# KiCad board fpgaboard.kicad_pcb (continued)
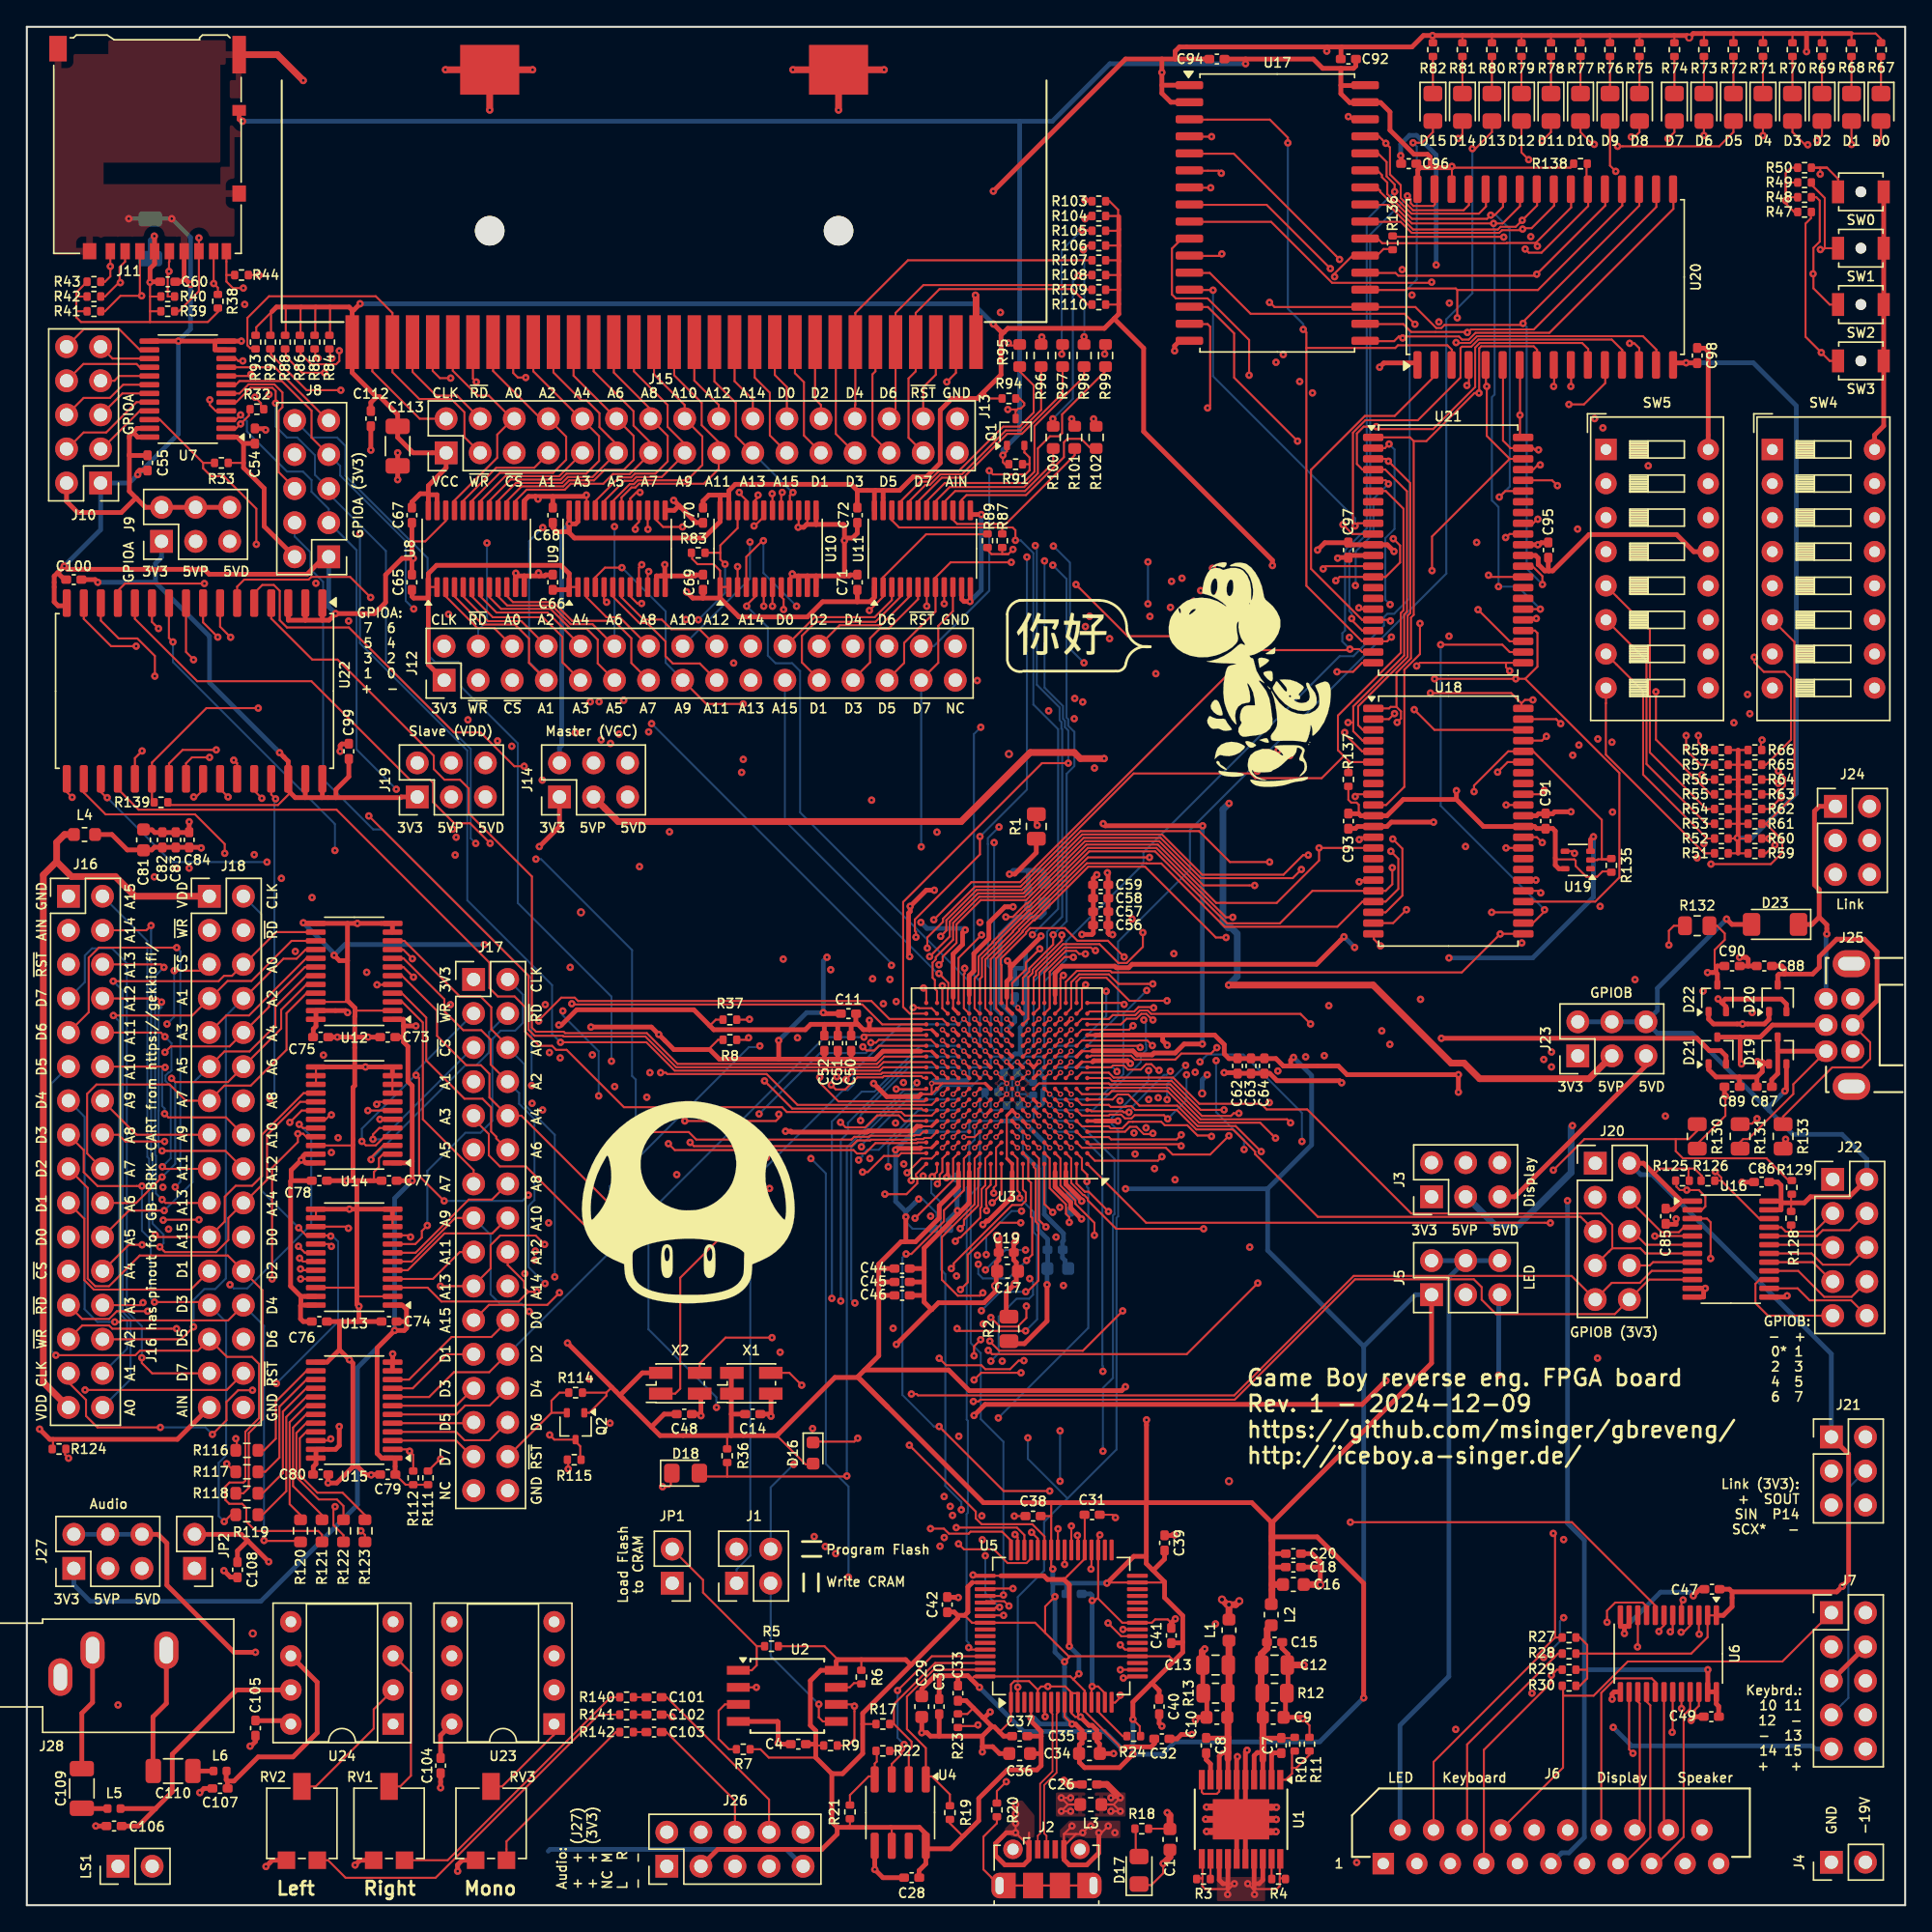
[diagram p0: board, top side]
## Routing (per net, layer and track width the routed paths; a pad name or vN(x,y) marks a point on that pad's centre or on a via; arc(x,y) is an arc through that point) (continued)
  In2.Cu w0.15: v1(9.54,91.61) 9.93,91.61 14.14,87.39 33.45,87.39 33.58,87.52 35.36,87.52 36.03,86.86 v1(42.81,86.86)
  Bottom w0.15: v3(69.84,60.45) 69.44,60.05 65.6,60.05 62.2,56.65 v1(62.2,56.52)
/VD2: length 91.4
  Top w0.15: U3.G15 67.44,59.65 57.44,59.65 55.14,61.95 47.73,61.95 47.63,62.05 v1(47.24,62.05) ; 4.24,96.85 4.24,95.87 6.28,93.84 v1(8.15,93.84)
  In1.Cu w0.15: v1(47.24,62.05) 46.19,63.1 46.19,77.53 43.36,80.35 43.36,83.19 42.77,83.78 41.95,83.78 40.88,84.85 v1(40.88,87.39)
  In2.Cu w0.15: v1(40.88,87.39) 40.49,87.78 33.48,87.78 33.35,87.64 14.34,87.64 v1(8.15,93.84)
/VD3: length 81.3
  Top w0.15: U3.G10 v3(71.44,59.65) ; v1(3.37,82.57) 2.98,82.97 2.98,84.15
  In1.Cu w0.15: v1(3.37,82.57) 9.3,76.65 v1(9.5,76.65)
  In2.Cu w0.15: v1(9.5,76.65) 16.29,76.65 30.42,62.51 36.33,62.51 37.28,61.56 45.9,61.56 46.12,61.35 46.43,61.35 46.79,60.98 58.23,60.98 58.83,60.38 61.24,60.38 61.3,60.44 64.45,60.44 64.52,60.37 65.01,60.37 65.34,60.7 67.74,60.7 67.89,60.85 69.24,60.85 69.44,60.65 69.44,59.45 69.64,59.25 71.04,59.25 v3(71.44,59.65)
/VD4: length 75.1
  Top w0.15: v1(14.75,78.4) 14.75,79.09 12.54,81.3 5.87,81.3 4.24,82.93 4.24,84.15 ; U3.F16 66.81,59.25 66.69,59.37 57.05,59.37 v1(54.98,61.44)
  In2.Cu w0.15: v1(54.98,61.44) 54.59,61.44 54.44,61.28 46.85,61.28 46.54,61.6 46.22,61.6 45.78,62.05 37.23,62.05 36.51,62.76 30.53,62.76 24.38,68.91 24.38,70.11 16.09,78.4 v1(14.75,78.4)
/VD5: length 81.5
  Top w0.15: v1(5.99,82.55) 5.94,82.55 5.52,82.97 5.52,84.15 ; U3.G11 v3(70.64,59.65)
  In1.Cu w0.15: v1(31.57,67.12) 31.57,66.22 32.68,65.12 36.23,65.12 37,64.35 37,63.9 38.44,62.46 v1(38.44,59.27) ; v1(64.75,58.3) 64.75,58.51 65.49,59.25 70.24,59.25 v3(70.64,59.65)
  In2.Cu w0.15: v1(64.75,58.3) 64.64,58.41 63.33,58.41 62.75,57.83 57.72,57.83 57.13,58.42 55.9,58.42 55.38,58.93 55.38,59.05 54.96,59.48 54.33,59.48 54.09,59.24 45.81,59.24 45.78,59.27 v1(38.44,59.27) ; v1(17.9,77.75) 18.43,77.75 20.8,75.38 20.8,74.86 28.55,67.12 v1(31.57,67.12)
  Bottom w0.15: v1(17.9,77.75) 10.79,77.75 v1(5.99,82.55)
/VD6: length 74.4
  Top w0.15: 6.78,84.15 6.78,83.2 8.34,81.65 23.08,81.65 34.48,70.25 34.48,68.35 35.1,67.73 36.35,67.73 37.14,66.94 37.14,65.11 38.2,64.05 39.15,64.05 39.45,63.75 40.23,63.75 44.51,59.48 56.29,59.48 56.65,59.12 65.17,59.12 65.44,58.85 67.44,58.85 U3.F15
/VD7: length 83.7
  Top w0.15: 8.05,84.15 8.05,85.49 v1(8.59,86.03) ; U3.G14 v3(68.24,59.65)
  In1.Cu w0.15: v1(36.14,86.38) 36.14,83.12 44.03,75.24 44.03,62.4 v1(46.21,60.22)
  In2.Cu w0.15: v3(68.24,59.65) 65.39,59.65 65.36,59.62 64.21,59.62 64.14,59.69 61.61,59.69 61.55,59.63 57.21,59.63 56.61,60.23 46.61,60.23 46.6,60.22 v1(46.21,60.22) ; v1(8.59,86.03) 9.7,87.13 33.55,87.13 33.64,87.23 35.3,87.23 v1(36.14,86.38)
/WRAM_~{CS}: length 78
  Top w0.15: 101.8,123.45 101.79,123.44 101.12,123.44 100.61,122.92 98.78,122.92 97.47,121.62 v1(97.47,121.37) ; U3.R16 65.81,66.45 65.31,66.95 65.31,74.77 75.66,85.12 v1(77.62,85.12)
  In2.Cu w0.15: v1(75.85,100.19) 76.05,100.19 76.97,101.11 76.97,101.31 97.03,121.37 v1(97.47,121.37)
  Bottom w0.15: v1(77.62,85.12) 77.62,87.55 77.37,87.8 77.37,88.28 77.23,88.42 77.23,89.37 75.85,90.75 v1(75.85,100.19)
/XRAM_~{CS}: length 99.6
  Top w0.15: 116.25,129.8 116.25,128.75 116.38,128.63 116.38,126.65 112.89,123.17 111.95,123.17 v1(111.68,123.44) ; v1(71.04,79.65) 71.04,78.32 66.19,73.47 66.19,72.62 66.27,72.54 v1(66.27,72.15) ; v3(70.64,63.65) U3.L11
  In1.Cu w0.15: v3(70.64,63.65) 70.24,64.05 70.24,68.31 69.07,69.48 69.07,70.31 67.23,72.15 v1(66.27,72.15)
  In2.Cu w0.15: v1(111.68,123.44) 97.62,123.44 76.61,102.42 76.61,102.09 75,100.48 v1(74.54,100.48)
  Bottom w0.15: v1(71.04,79.65) 74.54,83.15 v1(74.54,100.48)
/~{CRESET}: length 85
  Top w0.15: 82.8,20.55 81.7,20.55 v1(81.7,20.55) ; 52.85,66 53.83,66 v1(53.86,66.03) ; U3.N11 v3(70.64,65.25)
  In1.Cu w0.15: v1(58.44,55.65) 57.36,56.73 57.36,64.57 v1(57.44,64.65) 56.06,66.03 v1(53.86,66.03)
  In2.Cu w0.15: v1(81.7,20.55) 81.7,20.55 64.23,20.55 61.24,23.54 v1(61.24,24.45) ; v3(70.64,65.25) 70.24,64.85 62.91,64.85 62.61,65.15 57.94,65.15 v1(57.44,64.65)
  Bottom w0.15: v1(58.44,55.65) 59.55,54.54 59.55,32.89 61.24,31.2 v1(61.24,24.45)
/~{EPROG}: length 68.4
  Top w0.15: 100.4,96.6 99.52,96.6 99.43,96.7 v1(99.28,96.7) ; v1(89.38,72.12) 88.62,72.12 83.34,77.4 79.11,77.4 75.11,73.4 75.01,73.4 74.22,72.61 74.22,72.54 72.24,70.56 72.24,66.85 U3.R9 ; 100.4,76.4 99.43,76.4 v1(99.31,76.28)
  In1.Cu w0.15: v1(99.31,76.28) 99.31,77.35 94.66,82 94.66,87.24 94.89,87.48 96.4,87.48 96.97,86.91 98.39,86.91 98.93,87.45 98.93,91.65 98.12,92.45 98.12,95.93 98.89,96.7 v1(99.28,96.7)
  In2.Cu w0.15: v1(99.31,76.28) 95.15,72.12 v1(89.38,72.12)
/~{MCS}: length 62.8
  Top w0.15: v1(53.66,96.82) 53.66,96.9 54.28,97.52 54.28,98.25 ; U3.M11 v3(70.64,64.45)
  In1.Cu w0.15: v1(53.66,96.82) 53.11,96.28 41.69,96.28 39.99,94.57 39.99,93.38 39.18,92.57 37.48,92.57 36.21,91.3 J12.5
  Bottom w0.15: v1(53.66,96.82) 55.23,95.25 55.23,93.14 55.8,92.57 57.05,92.57 57.63,91.98 57.63,81.46 70.24,68.85 70.24,64.85 v3(70.64,64.45)
/~{MDOE}: length 52.1
  Top w0.15: 64.47,103.95 64.47,103.22 65.01,102.69 72.74,102.69 ; v1(73.68,101.73) 73.68,102.48 73.48,102.69 72.74,102.69 ; 72.74,102.69 72.7,102.65 72.7,102.25 ; U3.M7 v3(74.64,64.45)
  In2.Cu w0.15: v1(74.95,72.34) 74.67,72.06 74.67,69.22 75.04,68.85 75.04,64.85 v3(74.64,64.45)
  Bottom w0.15: v1(73.68,101.73) 74.07,101.73 75.02,100.78 75.02,89.49 76.87,87.65 76.87,74.25 v1(74.95,72.34)
/~{MOE}: length 51
  Top w0.15: 51.69,100.8 51.69,101.35 52.97,102.64 52.97,103.95 ; 51.69,100.8 51.69,100.3 v1(52.04,99.95) ; 51.69,100.8 50.49,100.8 ; U3.P9 v3(72.24,66.05)
  In1.Cu w0.15: v1(50.05,95.81) 50.05,95.8 50.15,95.71 50.15,90.89 66.83,74.2 67.85,74.2 69.04,73.02 69.04,72.57 69.2,72.41 69.2,71.89 72.24,68.84 v3(72.24,66.05)
  Bottom w0.15: v1(52.04,99.95) 52.04,97.79 v1(50.05,95.81)
/~{MRD}: length 193.2
  Top w0.15: 111.5,124.99 111.35,124.84 109.95,124.84 109.75,124.64 103.22,124.64 102.4,125.47 99.75,125.47 ; 111.5,124.99 111.5,124.94 v1(111.49,124.93) ; 111.5,124.99 112.15,124.99 113.84,126.67 113.84,127.65 ; 111.4,86.8 112.93,86.8 113.25,87.12 v1(113.26,87.12) ; 52.97,98.25 v1(52.97,99.77) ; v1(79.65,71.15) 79.53,71.15 79.31,71.38 77.34,71.38 75.47,69.51 75.47,66.88 U3.R6 ; 111.4,107 112.28,107 112.63,107.35 v1(112.8,107.35)
  In1.Cu w0.15: v1(82.38,73.5) 82.38,95.37 83.55,96.54 83.79,96.54 85.32,98.07 v1(85.32,98.67) ; v1(111.49,124.93) 111.77,125.2 112.84,125.2 113.17,124.87 113.17,109.62 112.22,108.67 112.22,107.93 112.8,107.35 v1(112.8,107.35) 112.49,107.04 112.49,104.55 113.79,103.25 113.79,88.96 113.26,88.43 v1(113.26,87.12)
  In2.Cu w0.15: v1(34.3,101.53) 51.21,101.53 v1(52.97,99.77) 71.2,99.77 72.63,98.33 77.03,98.33 77.59,98.89 84.71,98.89 84.93,98.67 v1(85.32,98.67) 85.53,98.45 86.63,98.45 86.9,98.72 88.56,98.72 88.62,98.66 89.17,98.66 97.15,106.64 112.09,106.64 v1(112.8,107.35) ; v1(82.38,73.5) 82.38,73.11 80.42,71.15 v1(79.65,71.15)
  Bottom w0.15: v1(34.3,101.53) 34.3,95.7 33.64,95.04 J12.4
/~{MRST}: length 54
  Top w0.15: U3.R4 77.04,66.85 77.04,69.09 v1(77.25,69.3) ; 74.74,107.45 74.74,106.95 74.43,106.64 72.01,106.64 v1(71.73,106.91) ; 74.74,107.45 74.74,107.9 74.37,108.27 74.35,108.27 Q1.2 ; 74.74,107.45 74.69,107.4 74.15,107.4
  In1.Cu w0.15: v1(77.25,69.3) 76.66,69.3 75.05,70.91 75.05,71.21 74.14,72.12 74.14,74.44 68.02,80.56 68.02,92.48 J12.30
  Bottom w0.15: J12.30 67.6,93.84 71.73,97.97 v1(71.73,106.91)
/~{MWR}: length 158.6
  Top w0.15: 53.62,98.25 53.62,100.5 54.83,101.7 v1(54.9,101.7) ; 99.75,131.81 100.8,131.81 v1(101.29,131.32) 101.6,131.01 101.6,129 102.4,128.2 102.4,127.24 103.32,126.33 107.09,126.33 107.49,126.72 107.49,127.65 ; U3.M9 v3(72.24,64.45)
  In1.Cu w0.15: v1(45.66,77.41) 41.13,81.94 41.13,83.69 40.79,84.04 39.23,84.04 36.85,86.42 36.85,88.09 J12.3 ; v1(62.97,82.36) 57.7,87.63 57.7,96.49 v1(57.37,96.82)
  In2.Cu w0.15: v1(45.66,77.41) 47.08,78.82 62.97,78.82 ; 62.97,78.82 62.97,78.7 66.92,74.75 67.04,74.75 71.84,69.95 71.84,64.85 v3(72.24,64.45) ; 62.97,78.82 v1(62.97,82.36) ; v1(54.9,101.7) 60.26,101.7 60.74,102.19 72.72,102.19 101.29,130.76 v1(101.29,131.32)
  Bottom w0.15: v1(57.37,96.82) 54.9,99.29 v1(54.9,101.7)
/~{SCS}: length 53.1
  Top w0.15: 27.25,57.92 26.27,57.92 25.8,57.45 v1(25.8,57.08) ; v1(62.9,64.29) 63.29,64.29 63.5,64.5 67.39,64.5 U3.M15
  In1.Cu w0.15: J17.5 34.57,62.65 34.57,60.94 35.35,60.16 37.26,60.16 v1(37.66,59.76)
  In2.Cu w0.15: v1(37.66,59.76) 37.66,59.38 38.28,58.75 48.68,58.75 48.82,58.9 54.51,58.9 v1(54.58,58.97)
  Bottom w0.15: J17.5 33.26,63.92 26.43,57.08 v1(25.8,57.08) ; v1(54.58,58.97) 59.12,63.51 62.53,63.51 62.9,63.88 v1(62.9,64.29)
/~{SOE}: length 77.9
  Top w0.15: v1(22.65,34.75) 22.52,34.62 21.55,34.62 ; 30.84,33.25 v1(30.84,33.25) 30.79,33.25 R111.2 ; U3.P16 63.76,65.65 62.28,67.13 40.68,67.13 v1(40.62,67.19)
  In1.Cu w0.15: v1(40.62,67.19) 40.62,66.8 40.78,66.64 40.78,41.73 36.38,37.33 35.46,37.33 34.53,36.41 34.53,35.37 33.88,34.71 32.3,34.71 v1(30.84,33.25)
  In2.Cu w0.15: v1(30.84,33.25) 24.15,33.25 v1(22.65,34.75)
/~{SRD}: length 79.5
  Top w0.15: 27.25,56.62 26.55,56.62 25.66,55.73 v1(25.66,55.57) ; U3.D8 v3(73.84,57.25)
  In1.Cu w0.15: v1(74.14,51.73) 74.14,52.12 74.54,52.52 74.54,53.35 74.24,53.65 74.24,56.85 v3(73.84,57.25) ; v1(38.89,50.86) 38.89,62.46 37.35,64 37.35,64.95 J17.4
  In2.Cu w0.15: v1(71.51,48.49) 70.06,49.94 67.72,49.94 66.91,50.75 46.77,50.75 46.66,50.87 39.29,50.87 39.28,50.86 v1(38.89,50.86)
  Bottom w0.15: v1(74.14,51.73) 73.4,51.73 71.51,49.84 v1(71.51,48.49) ; J17.4 34.45,65.07 34.45,63.55 33.52,62.63 32.71,62.63 v1(25.66,55.57)
/~{SRST}: length 67
  Top w0.15: 39.1,36.7 39.1,37.6 39.7,38.2 40.45,38.2 ; 39.1,36.7 35.84,33.44 J17.30 ; 39.1,36.7 Q2.2 ; v3(70.64,62.05) U3.J11
  In1.Cu w0.15: v1(65.34,61.31) 64.55,61.31 64.32,61.08 64.32,60.72 63.95,60.34 63.95,55.97 64.66,55.26 64.66,54.82 64.47,54.63 64.47,43.49 64.57,43.39 v1(64.57,43)
  In2.Cu w0.15: v1(64.57,43) 64.18,43 64.02,42.83 55.42,42.83 46.02,33.44 J17.30 ; v1(65.34,61.31) 65.82,61.8 67.93,61.8 68.08,61.65 70.24,61.65 v3(70.64,62.05)
/~{SWR}: length 71.1
  Top w0.15: 27.25,57.28 26.65,57.28 26.01,56.63 25.27,56.63 v1(24.97,56.93) ; U3.A9 72.64,52.99 72.01,52.35 v1(71.95,52.35) ; v1(29.01,61.86) 29.02,61.86 29.24,61.64 29.24,54.35 v1(31.1,52.49)
  In2.Cu w0.15: v1(37.38,52.93) 51.54,52.93 52.18,52.28 64.76,52.28 65.54,53.06 66.34,53.06 66.4,53.12 66.81,53.12 67.14,52.79 71.52,52.79 v1(71.95,52.35)
  Bottom w0.15: v1(37.38,52.93) 36.94,52.49 v1(31.1,52.49) ; v1(24.97,56.93) 24.97,57.87 28.93,61.83 29,61.83 29,61.86 v1(29.01,61.86) 29.01,62.17 J17.3
/~{VCS}: length 88.9
  Top w0.15: U3.J12 v3(69.84,62.05) ; 9.55,82.2 9.33,82.42 9.33,85.16 13.38,89.22 v1(17.25,89.22)
  In1.Cu w0.15: v1(62.14,58.48) 61.55,59.07 61.55,72.25 v1(46.35,87.45)
  In2.Cu w0.15: v1(46.35,87.45) 45.68,86.78 43.95,86.78 42.45,88.28 33.58,88.28 32.94,88.93 17.54,88.93 v1(17.25,89.22)
  Bottom w0.15: v3(69.84,62.05) 69.44,62.45 65.72,62.45 62.14,58.87 v1(62.14,58.48)
/~{VRD}: length 78
  Top w0.15: U3.E14 v3(68.24,58.05) ; 11.87,84.15 11.87,85.11 12.31,85.55 v1(13.62,85.55)
  In1.Cu w0.15: v1(22.1,63.36) 22.1,65.48 19.2,68.39 19.2,74.15 15.33,78.02 15.33,81.01 13.62,82.71 v1(13.62,85.55)
  In2.Cu w0.15: v3(68.24,58.05) 65.44,58.05 65.16,57.77 63.33,57.77 63.14,57.58 57.61,57.58 57.02,58.17 56.33,58.17 56.17,58 48.82,58 48.52,58.3 37.86,58.3 36.19,59.97 28.55,59.97 25.17,63.36 v1(22.1,63.36)
/~{VWR}: length 77.3
  Top w0.15: 18.22,84.15 18.22,82.78 v1(18.54,82.46) ; U3.D14 v3(68.24,57.25)
  In2.Cu w0.15: v1(18.12,60.08) 22.54,60.08 25.08,57.54 47.74,57.54 49,56.28 61.76,56.28 62.02,56.02 62.35,56.02 63.57,57.25 v3(68.24,57.25)
  Bottom w0.15: v1(18.12,60.08) 18.45,60.41 18.45,82.37 v1(18.54,82.46)
Net-(C12-Pad1): length 16.9
  Top w0.15: 93.3,12.45 94.5,12.45
  Top w0.35: U1.3 92.12,10.82 ; 93.3,12.45 92.12,12.45 92.18,12.5 92.12,12.5 ; U1.4 91.47,11.14 91.71,11.38 92.12,11.38
  Top w0.5: 92.12,10.82 92.12,13.97 92.15,14 92.07,14.08 92.07,15.78 92,15.85 92,18.71 92.45,19.16 92.45,20.56 L2.2
Net-(C101-Pad2): length 1
  Top w0.15: 46.15,15.5 45.15,15.5
Net-(C102-Pad2): length 1
  Top w0.15: 46.15,14.2 45.15,14.2
Net-(C103-Pad2): length 1
  Top w0.15: 46.15,12.9 45.15,12.9
Net-(C106-Pad1): length 21.1
  Top w0.35: 7.05,5.9 8.3,5.9 9.59,7.19 9.59,7.2 ; 9.59,7.2 6.95,7.2 ; 9.59,7.2 10.84,8.45 10.84,11.25 15.63,16.04 U24.7
Net-(C107-Pad1): length 16.1
  Top w0.35: 14.85,10 14.86,9.99 14.86,9.34 14.95,9.25 ; U24.6 21.64,16.62 21.64,12.85 19.84,11.05 17.24,11.05 15.44,9.25 14.95,9.25 ; 14.95,9.25 14.95,8.7
Net-(C109-Pad1): length 9.1
  Top w0.35: J28.T 4.9,15.11 4.1,14.31 4.1,10.2
Net-(C109-Pad2): length 1.9
  Top w0.35: 6.05,7.2 4.1,7.2
Net-(C110-Pad1): length 9.4
  Top w0.35: 9.4,10 9.4,14.04 10.4,15.04 J28.R
Net-(C110-Pad2): length 1.6
  Top w0.35: 12.4,10 13.95,10
Net-(D0-K): length 2.8
  Top w0.15: 138.2,135.1 138.2,137.85
Net-(D1-K): length 2.8
  Top w0.15: 136,135.1 136,137.85
Net-(D2-K): length 2.8
  Top w0.15: 133.8,135.1 133.8,137.85
Net-(D3-K): length 2.8
  Top w0.15: 131.6,135.1 131.6,137.85
Net-(D4-K): length 2.8
  Top w0.15: 129.4,135.1 129.4,137.85
Net-(D5-K): length 2.8
  Top w0.15: 127.2,135.1 127.2,137.85
Net-(D6-K): length 2.8
  Top w0.15: 125,135.1 125,137.85
Net-(D7-K): length 2.8
  Top w0.15: 122.8,135.1 122.8,137.85
Net-(D8-K): length 2.8
  Top w0.15: 120.2,135.1 120.2,137.85
Net-(D9-K): length 2.8
  Top w0.15: 118,135.1 118,137.85
Net-(D10-K): length 2.8
  Top w0.15: 115.8,135.1 115.8,137.85
Net-(D11-K): length 2.8
  Top w0.15: 113.6,135.1 113.6,137.85
Net-(D12-K): length 2.8
  Top w0.15: 111.4,135.1 111.4,137.85
Net-(D13-K): length 2.8
  Top w0.15: 109.2,135.1 109.2,137.85
Net-(D14-K): length 2.8
  Top w0.15: 107,135.1 107,137.85
Net-(D15-K): length 2.8
  Top w0.15: 104.8,135.1 104.8,137.85
Net-(D17-A): length 2.1
  Top w0.15: 82.65,5.7 82.65,3.95 82.9,3.7
Net-(J1-Pin_1): length 52.4
  Top w0.15: U3.P12 v3(69.84,66.05)
  Bottom w0.15: J1.1 52.9,25.03 53.93,26.05 53.93,53.85 60.83,60.75 61.2,60.75 61.6,61.15 61.6,62.1 65.15,65.65 69.44,65.65 v3(69.84,66.05)
Net-(J1-Pin_4): length 52.7
  Top w0.15: U3.P11 v3(70.64,66.05)
  In1.Cu w0.15: v1(63.84,67.19) 63.84,67.18 63.9,67.12 63.9,63.6 63.57,63.27 63.57,61.03 63.29,60.75 63.29,56.07 63.29,54.2 56.88,47.79 56.88,33.12 v1(57.15,32.85)
  In2.Cu w0.15: v3(70.64,66.05) 70.24,66.45 67.44,66.45 66.44,67.45 65.84,67.45 65.27,66.88 64.15,66.88 v1(63.84,67.19)
  Bottom w0.15: J1.4 55.44,31.14 v1(57.15,32.85)
Net-(J2-Shield): length 27.2
  Top w0.15: 72.3,6.65 72.3,6.1 71.3,5.1 71.3,2.66 71.9,2.06 ; J2.6 J2.6 J2.6 J2.6 J2.6 ; J2.6 71.9,2.06 ; J2.6 71.9,2.06
  In2.Cu w0.15: J2.6 72.5,3.16 J2.6 ; J2.6 79.5,3.16 J2.6
Net-(JP1-B): length 13.4
  Top w0.15: 54.4,19.3 54.4,17.88 54.03,17.5 U2.1 ; 54.4,19.3 55.05,19.3 ; 54.4,19.3 50.4,23.3 50.4,24.24 JP1.2
Net-(JP2-A): length 51.7
  In1.Cu w0.35: JP2.1 12.5,23.41 11.04,21.95 8.15,21.95 6.8,20.6 v1(6.8,14.92) LS1.1
  In2.Cu w0.35: v1(6.8,14.92) 6.93,14.79 30.43,14.79 U23.7
Net-(LS1-Pad2): length 33.7
  In1.Cu w0.35: U23.6 29.64,16.54 29.64,8.15 27.64,6.15 12.59,6.15 LS1.2
Net-(R140-Pad2): length 21.1
  Top w0.15: RV1.1 31.37,3.35 43.52,15.5 44.25,15.5
Net-(R141-Pad2): length 28.2
  Top w0.15: 44.25,14.2 42.63,14.2 30.46,2.04 23.76,2.04 22.45,3.35 RV2.1
Net-(R142-Pad2): length 13.3
  Top w0.15: RV3.1 35.75,4.75 43.9,12.9 44.25,12.9
Net-(U1-ADJ1): length 4.9
  Top w0.15: U1.1 93.84,9.35 94.3,9.81 94.3,10.22 ; 94.5,11.55 94.3,11.35 94.3,10.22 ; 95.6,11.55 95.6,11.2 94.62,10.22 94.3,10.22
Net-(U1-ADJ2): length 18.7
  Top w0.15: U1.8 88.88,8.47 88.7,8.3 87.7,8.3 87.57,8.43 U1.10
  Top w0.35: 89.53,12.5 89.5,12.5 89.5,12.47 89.53,12.45 87.9,12.45 ; U1.7 89.53,11.38 89.12,11.38 88.88,11.13 U1.8
  Top w0.5: 89.53,10.9 89.53,12.45 ; 89.53,12.45 89.53,12.5 ; 89.53,12.45 89.53,12.5 ; 89.6,19.75 89.6,17.9 ; 89.6,17.9 89.75,18.05 ; 89.6,17.9 89.6,15.85 89.55,15.8 89.55,14.1 89.45,14 89.53,13.93 89.53,12.5
Net-(U1-BYP1): length 2.4
  Top w0.35: 93.3,11.35 92.92,11.35 92.78,11.21 U1.2
Net-(U1-BYP2): length 2.1
  Top w0.35: U1.9 88.22,10.53 87.91,10.85 87.91,11.34 87.9,11.35
Net-(U1-PWRGD1): length 1.5
  Top w0.15: 92.85,2 92.78,2.07 U1.19
Net-(U1-PWRGD2): length 1.5
  Top w0.15: 88.15,2 88.22,2.07 U1.12
Net-(U2-~{HOLD}): length 2
  Top w0.15: 60.33,16.24 61.33,16.24 61.65,16.55 62.2,16.55
Net-(U2-~{WP}): length 5.5
  Top w0.15: U2.3 52.03,14.97 51.56,14.5 51.56,12.39 52.33,11.62 52.95,11.62
Net-(U3A-NC): length 16.4
  Top w0.102: U3.N14 68.64,64.86
  Top w0.15: v1(53.79,64.65) 53.64,64.5 52.85,64.5 ; 68.64,64.86 v3(68.24,65.25)
  In2.Cu w0.15: v3(68.24,65.25) 67.95,65.25 67.95,65.24 62.88,65.24 62.72,65.4 54.54,65.4 v1(53.79,64.65)
Net-(U4-DO): length 5.2
  Top w0.15: 61.35,7.4 61.35,8.21 62.75,9.6 63.19,9.6 63.19,10.55 63.35,10.71 63.35,11.5
Net-(U5-REF): length 7.9
  Top w0.15: 69.4,13.35 70.81,13.35 v1(70.89,13.43) ; 75.85,15.1 75.85,14.1 v1(75.9,14.05)
  In2.Cu w0.15: v1(75.9,14.05) 75.28,13.43 v1(70.89,13.43)
Net-(U5-~{RESET}): length 3.6
  Top w0.15: 82.05,12.6 81.67,12.6 79.85,14.42 79.85,15.1
Net-(U11-B1): length 17.3
  Top w0.15: 65.12,103.95 65.12,104.63 66.6,106.11 67.19,106.11 67.99,106.9 69.47,106.9 72.77,110.2 73.99,110.2 75.04,111.25 75.04,113.28 74,114.32 74,114.75
Net-(U11-B2): length 16.6
  Top w0.15: 65.78,103.95 65.78,104.65 66.98,105.85 67.3,105.85 68.09,106.65 69.7,106.65 72.96,109.92 74.06,109.92 75.6,111.45 75.6,114.75
Net-(U11-B3): length 16.8
  Top w0.15: 66.42,103.95 66.42,104.63 68.2,106.4 69.8,106.4 73.07,109.66 74.17,109.66 77.2,112.7 77.2,114.75
Net-(U11-B4): length 19.1
  Top w0.15: 78.8,114.75 78.8,113.94 75.1,110.24 75.1,106.84 74.26,106 68.42,106 67.08,104.65 67.08,103.95
Net-(U11-B5): length 19.7
  Top w0.15: 80.4,114.75 80.4,114.35 77.16,111.11 77.16,109.71 76.94,109.48 76.26,109.48 75.35,108.58 75.35,106.72 74.34,105.7 68.79,105.7 67.72,104.64 67.72,103.95
Net-(U11-B6): length 11.1
  Top w0.15: 68.38,103.95 68.38,104.58 69.19,105.4 74.4,105.4 76.5,107.5 76.5,108.65
Net-(U11-B7): length 12.6
  Top w0.15: 78.1,108.65 78.1,108.07 72.97,102.95 69.34,102.95 69.03,103.27 69.03,103.95
Net-(U11-B8): length 13.6
  Top w0.15: 79.7,108.65 79.22,108.65 78.58,109.29 77.56,109.29 77.3,109.04 77.3,107.93 74.47,105.1 70.04,105.1 69.67,104.74 69.67,103.95
Net-(U15-B1): length 10.7
  Top w0.15: 25.2,28.65 25.2,29.08 23.53,30.74 21.66,30.74 20.34,32.06 20.34,34.8 20.82,35.28 21.55,35.28
Net-(U15-B2): length 10.5
  Top w0.15: 23.6,28.65 23.6,29.75 23.11,30.24 21.76,30.24 20.09,31.91 20.09,35.19 20.82,35.92 21.55,35.92
Net-(U15-B3): length 10
  Top w0.15: 22,28.65 22,29.08 19.84,31.24 19.84,35.59 20.82,36.58 21.55,36.58
Net-(U15-B4): length 10.1
  Top w0.15: 20.4,28.65 20.4,29.08 19.59,29.89 19.59,35.99 20.82,37.22 21.55,37.22
Net-(U15-B5): length 11.3
  Top w0.15: 21.55,37.88 20.82,37.88 19.34,36.39 19.34,30.86 17.58,29.1 17.15,29.1
Net-(U15-B6): length 10.3
  Top w0.15: 21.55,38.53 20.82,38.53 19.09,36.79 19.09,32.21 17.58,30.7 17.15,30.7
Net-(U15-B7): length 9.5
  Top w0.15: 17.15,32.3 17.77,32.3 18.83,33.36 18.83,37.15 20.85,39.17 21.55,39.17
Net-(U15-B8): length 8.5
  Top w0.15: 21.55,39.83 20.85,39.83 18.56,37.53 18.56,34.78 17.68,33.9 17.15,33.9
Net-(U23A-+): length 13.2
  Top w0.15: RV3.2 35.43,8.85 39.23,12.65 39.23,12.65 39.3,12.72 U23.1
  In1.Cu w0.15: U23.3 39.3,18.08 38.02,16.8 38.02,15.42 39.3,14.14 U23.1
Net-(U24A--): length 10.6
  Top w0.15: U24.2 25.86,14.6 25.86,13.17 21.54,8.85 RV2.2
Net-(U24B--): length 11.5
  Top w0.15: U24.3 27.36,18.58 28.63,17.32 28.63,9.65 27.83,8.85 RV1.2

## Copper pours and planes (outline as drawn; the poured copper is in the pictures)
+1V2 on In2.Cu: 75.84,58.85 74.07,40.31 84.65,38.03 90.81,32.13 90.82,22.06 88.29,22.06 72.53,37.33 72.53,58.85 70.64,58.85 70.64,62.85 75.84,62.85
+5VP on Top: 81.9,6.6 79.6,6.6 79.6,8.4 81.9,8.4
+5VP on Top: 92.3,0.3 88.7,0.3 88.7,2.1 92.3,2.1
+5VP on In2.Cu: 89.6,2.8 92.5,2.8 92.5,0.3 88.7,0.3 82.4,6.6 80.4,6.6 80.4,8.4 84,8.4
/Power, USB, SPI/VBUS on Top: 75.1,3.8 75.1,6.7 74.2,7.8 73.4,7.8 73.4,6.2 72.9,5.7 72.9,5.2 73.3,5.2 74.4,4.2 74.4,3.8
/Power, USB, SPI/VBUS on Top: 78.9,6.6 76.7,6.6 76.7,8.4 78.9,8.4
/Power, USB, SPI/VBUS on In2.Cu: 78.2,6.6 75.5,6.6 75.1,6.2 75.1,3.8 74.8,3.8 73.4,5.2 73.4,8.4 78.2,8.4
GND on Top: 16,123 2,123 2,139 16,139
GND on Top: 75.04,59.25 71.84,59.25 71.84,62.45 75.04,62.45
GND on Top: 78.2,5 81.5,5 81.5,6.3 77.7,6.3 77,5.6 77,3.8
GND on Bottom: 0.84,21.65 41.64,21.65 41.64,1.25 0.84,1.25
GND on In1.Cu: 139,1.5 1.5,1.5 1.5,138.5 139,138.5

## Text on the board
User.Comments: J16: GB Cart. Bus / Slave (5V) Gekkio / Adapter Pinout | J18: GB Cart. Bus / Slave (5V) | J17: GB Cart. Bus / Slave (3.3V) | J10: GPIO A0-A7 / (5V) | J8: GPIO A0-A7 / (3.3V) | LS1: Mono / Spkr. / (5V) | J26: Line Out / (3.3V) | J13&J15: Game Boy Cartridge Connector (5V) / J12:      Game Boy Cartridge Connector (3.3V) | J6: Game Boy (DMG) / Disp./Keybrd./Spkr. / Connector (5V) | J20: GPIO B0-B7 (3.3V) | J24: Game Boy External Link Port (5V) | J25: Game Boy (CGB) External Link Port (ELP) Connector (5V) | J22: GPIO B0-B7 (5V) | J21: Game Boy External Link Port (3.3V) | J7: Keyboard | J4: -19V input for Game Boy Display
F.Silkscreen: Program Flash | Write CRAM | 3V3  5VP  5VD | Audio | GPIOA: / 7  6 / 5  4 / 3  2 / 1  0 / +  - | CLK | 3V3 | VCC | Slave (VDD) | ~{RD} | ~{WR} | A0 | ~{CS} | A2 | A1 | A4 | A3 | Master (VCC) | A6 | A5 | A8 | A7 | A10 | A9 | A12 | A11 | A14 | A13 | D0 | A15 | D2 | D1 | D4 | D3 | D6 | D5 | ~{RST} | D7 | GND | NC | AIN | LED | Keyboard | GPIOB | GPIOB (3V3) | Display | Speaker | GPIOB: / -  + / 0* 1 / 2  3 / 4  5 / 6  7 | Link | Link (3V3): / +  SOUT / SIN  P14 / SCX*   - | Keybrd.: / 10 11 / 12  - / -  13 / 14 15 / +   + | Audio: / +  + (J27) / +  + (3V3) / NC M / L   R / -  - | -19V | VDD | GPIOA | J16 has pinout for GB-BRK-CART from https://gekkio.fi/ | GPIOA (3V3) | Load Flash / to CRAM | Left | Right | Mono | ${TITLE} / Rev. ${REVISION} - ${ISSUE_DATE} / ${COMMENT1} / ${COMMENT2}
